# Altium PCB IPO1_V0.01.PcbDoc (part 2 of 2)
Units mm, origin at the board's own origin, x right, y up, seen from the top; angles counter-clockwise.
Board outline 149.4 x 91.43 mm, 2 copper layers (Top Layer, Bottom Layer), stack 1.671 mm thick; 235 components, 157 nets, 687 pads, 150 vias.
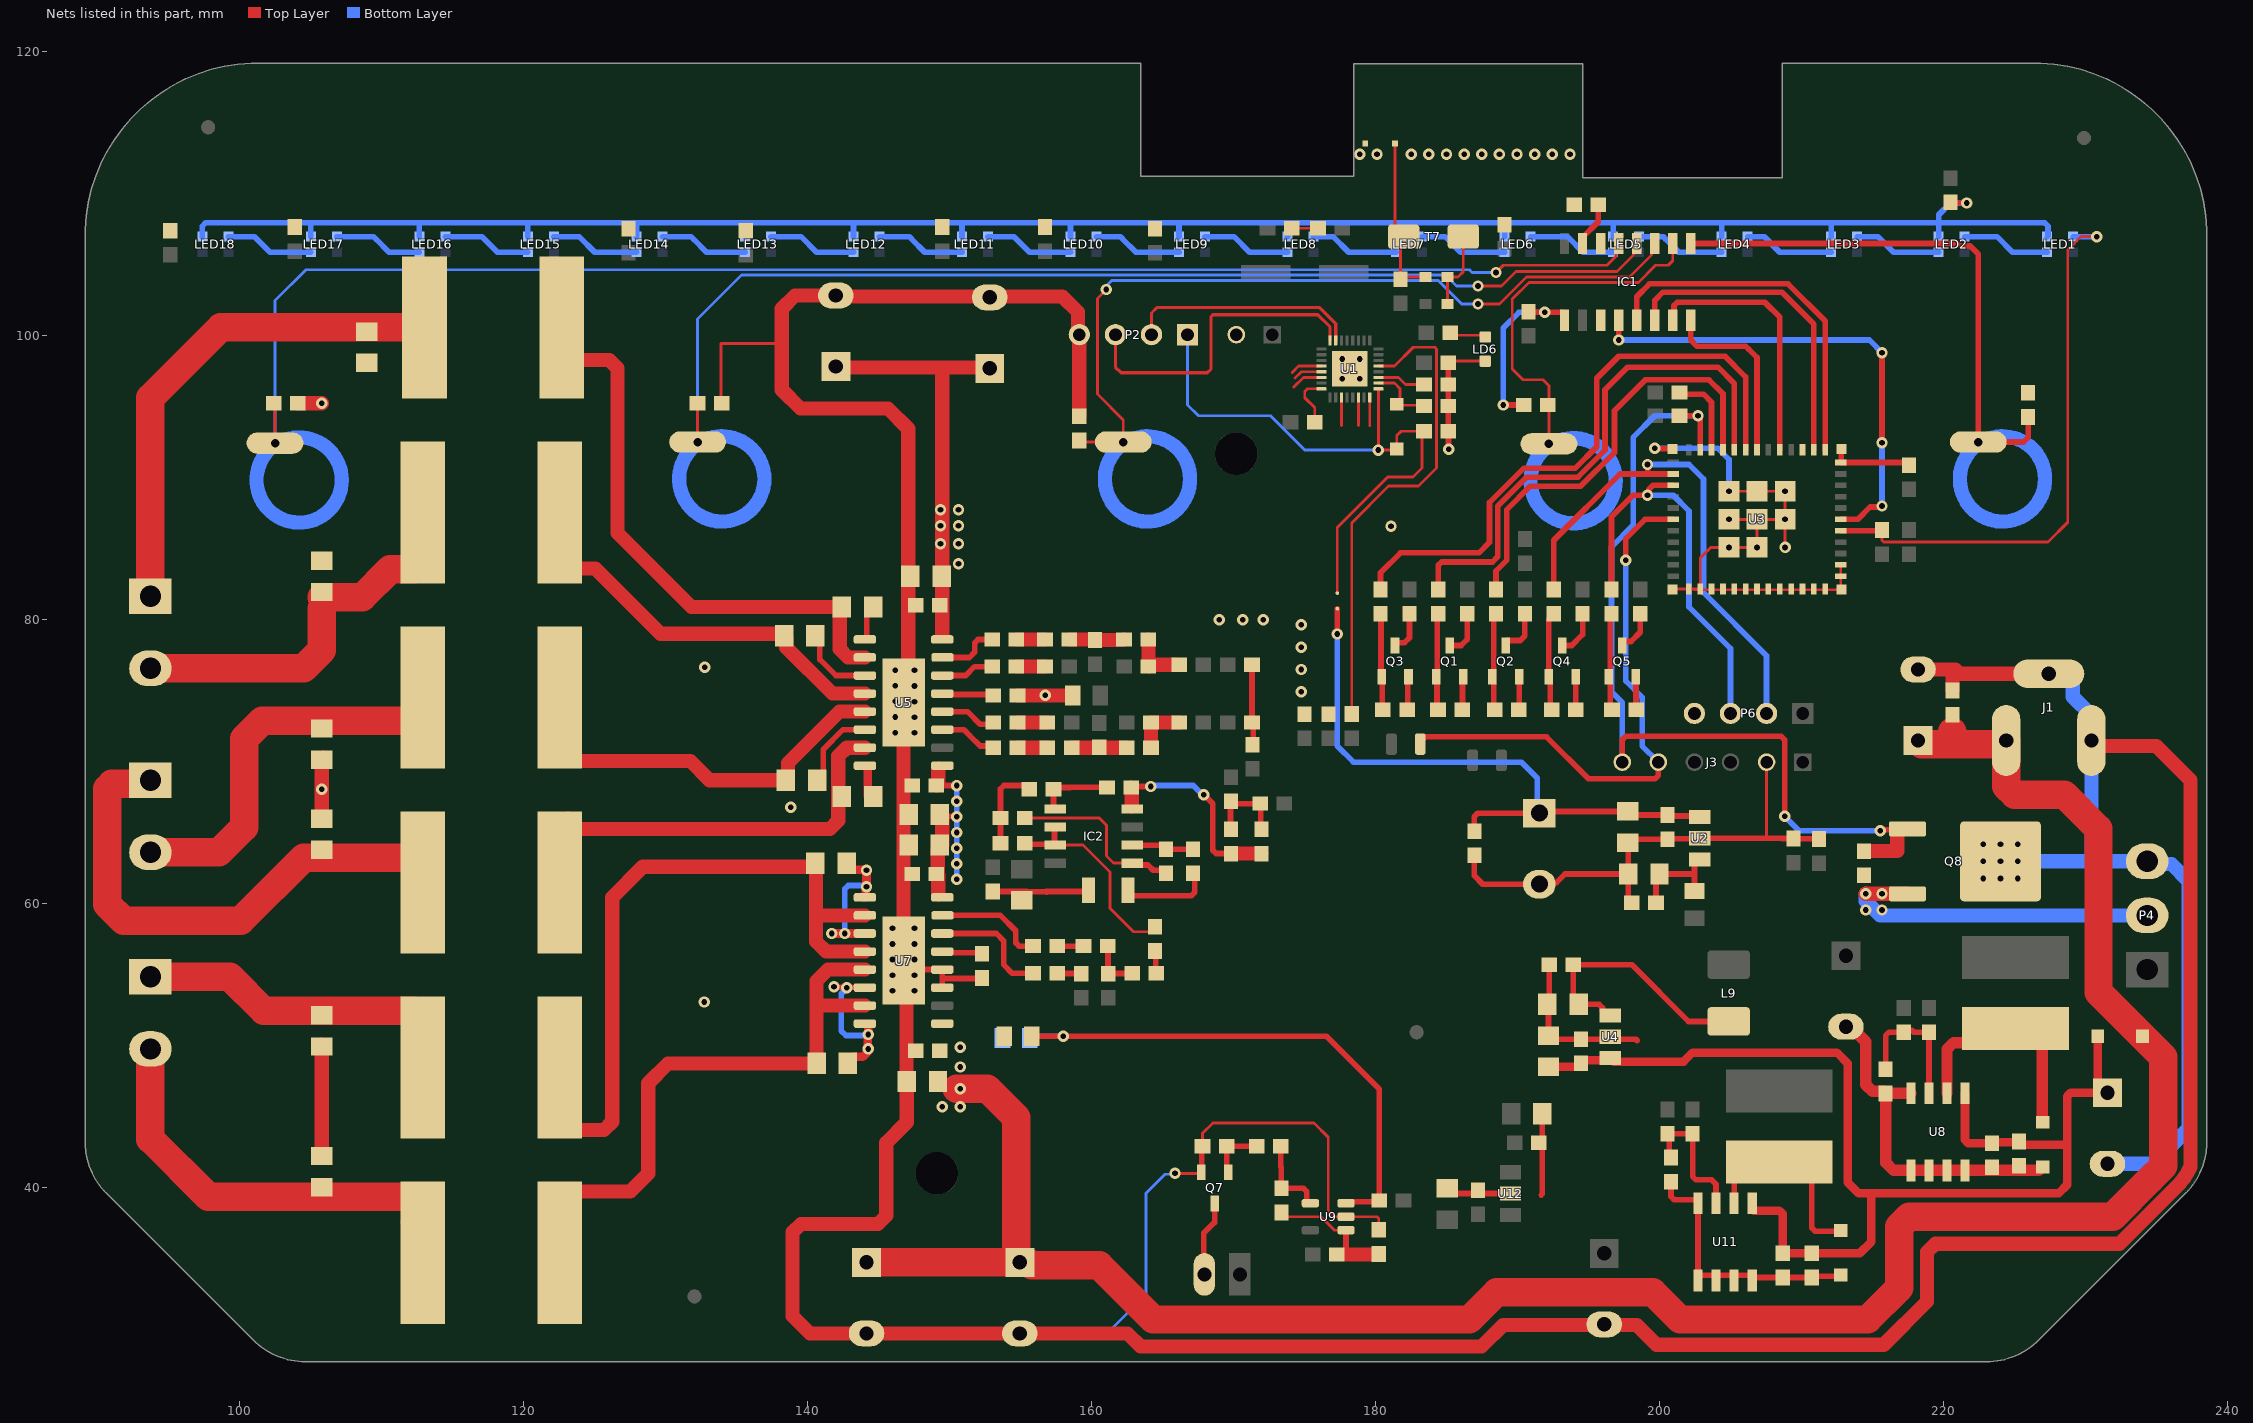
[diagram p2: the nets of this part, all layers, seen from the top]

## Via types
v1: diameter 0.8, hole 0.4, Top Layer to Bottom Layer, 150 vias

## Nets (pads, with @x,y where several pads share a name; then routed paths per layer and width w, separated by ;. In a path a pad name is that pad's centre, name@x,y a point inside that pad or via, vN(x,y) a via of type N, cw(c..) or ccw(c..) an arc to the next point about the centre after c; other vN are vias at no path point) (continued)
GND: A2.1 C1.1 C6.2 C7.1 C9.2 C10.1 C12.1 C13.2 C14.2 C15.1 C16.1 C18.2 C19.2 C22.2 C23.2 C24.2 C25.2 C26.1 C27.2 C28.2 C30.1 C33.1 C35.1 C41.2 C42.1 C44.2 C45.1 C47.1 C49.2 C51.2 C52.2 C53.2 C55.1 C56.2 C57.2 C58.1 C59.1 C60.1 C61.2 C62.2 C63.2 C64.2 C65.2 C67.2 C68.1 C69.1 C70.1 C71.1 C72.1 C73.1 C74.1 C75.1 C76.1 C77.1 C78.1 C79.1 C80.1 C81.1 C82.1 C83.1 C84.2 C85.2 C91.1 C92.1 C93.2 C94.1 C95.1 C97.1 C98.1 C99.1 C100.1 C101.1 C102.1 C142.2 D2.2 D4.2 IC1.9 IC2.4 J1.2 J1.3 J3.2 J7.2 L1.1 L11.2 L13.2 LD6.1 LED1.2 LED2.2 LED3.2 LED4.2 LED5.2 LED6.2 LED7.2 LED8.2 LED9.2 LED10.2 LED11.2 LED12.2 LED13.2 LED14.2 LED15.2 LED16.2 LED17.2 LED18.2 P2.4 P4.3 P6.4 Q1.2 Q2.2 Q3.2 Q4.2 Q5.2 Q7.2 Q8.2 R5.2 R13.1 R23.2 R30.1 R32.1 R44.2 R45.2 R46.2 R48.2 R51.1 R52.1 R56.1 R63.2 R68.1 T7.A U1.33 U2.2 U3.1 U3.2 U3.11 U3.14 U3.36 U3.37 U3.38 U3.39 U3.40 U3.41 U3.42 U3.43 U3.44 U3.45 U3.46 U3.47 U3.48 U3.49_1 U3.49_2 U3.49_3 U3.49_4 U3.49_5 U3.49_6 U3.49_7 U3.49_8 U3.49_9 U3.50 U3.51 U3.52 U3.53 U4.2 U5.17 U7.3 U7.4 U7.17 U8.4 U8.5 U8.6 U8.7 U8.8 U9.2 U11.4 U11.5 U11.6 U11.7 U11.8 U12.2 | length 766.1
  Top Layer w0.2: C64.2@133.946,95.25 133.896,95.3 133.896,99.441 138.176,99.441 ; v1(165.862,41.021) 167.622,41.021 Q7.2@167.706,41.105 Q7.2@167.756,41.155 ; R63.2@167.756,42.876 167.803,42.876 167.803,43.851 168.529,44.577 175.641,44.577 176.657,43.561 176.657,38.354 177.04,37.971 U9.2@177.903,37.971 177.905,37.973 180.086,37.973 180.213,37.846 R51.1@180.213,37.045 ; C84.2@174.078,107.569 C85.2@175.934,107.569 ; L11.2@185.052,102.235 L13.2@185.052,104.14 185.801,104.14 186.166,104.505 T7.A@186.166,106.976 ; C19.2@185.1,98.098 185.212,98.21 LD6.1@187.706,98.21 ; U3.50@200.895,82.119 200.945,82.169 U3.36@202.045,82.169 202.445,82.169 ; v1(204.87,87.069) U3.49_9@206.845,87.069 ; v1(204.87,89.044) U3.49_6@206.845,89.044 v1(208.82,89.044) v1(208.82,87.069) ; 207.518,64.616 J3.2@207.518,69.977 ; v1(208.82,85.094) v1(208.82,87.069) ; U3.2@212.745,83.869 U3.1@212.745,83.069 212.745,82.169 U3.53@212.795,82.119 202.495,82.119 202.445,82.169 ; 202.445,82.169 U3.37@202.845,82.169 202.845,84.354 203.585,85.094 v1(204.87,85.094) v1(206.845,85.094) 206.976,84.963 207.395,84.963 206.845,85.513 U3.49_9@206.845,87.069 ; U3.49_9@206.845,87.069 v1(208.82,87.069)
  Top Layer w0.4: U7.17@146.754,56.007 146.961,55.8 147.389,55.372 U7.4@149.479,55.372 149.479,54.737 ; U7.3@149.479,54.102 149.479,54.737 ; C45.1@152.273,54.776 152.234,54.737 149.479,54.737 ; C7.1@153.035,60.872 155.448,60.872 155.467,60.852 156.826,60.852 156.845,60.833 ; 156.806,60.872 159.678,60.872 C42.1@159.766,60.96 ; C30.1@162.687,68.287 C30.1@162.775,68.199 162.839,68.263 v1(164.147,68.263) ; Q7.2@167.756,41.155 R63.2@167.756,42.876 ; v1(167.894,67.691) 168.529,67.056 168.529,63.773 168.763,63.539 C33.1@169.799,63.539 ; R44.2@182.206,73.66 182.256,73.71 182.256,75.939 Q3.2@182.306,75.989 ; C80.1@185.039,39.962 185.401,39.6 U12.2@189.484,39.6 ; C19.2@185.1,98.098 C52.2@185.1,96.574 C51.2@185.1,95.05 C44.2@185.1,93.272 185.12,93.253 185.12,92.021 v1(185.139,92.002) ; R48.2@186.08,73.66 186.114,73.694 186.114,75.955 Q1.2@186.148,75.989 ; C74.1@186.944,63.412 186.944,61.976 187.539,61.381 C142.2@191.516,61.381 191.643,61.508 192.731,61.508 193.326,62.103 C99.1@197.782,62.103 ; v1(188.976,95.123) C62.2@190.412,95.123 ; R52.1@190.08,73.66 190.098,73.678 190.098,75.971 Q2.2@190.117,75.989 ; C67.2@190.754,101.688 190.798,101.644 v1(191.897,101.644) 192.169,101.644 192.171,101.642 193.169,101.642 193.294,101.517 IC1.9@193.294,101.092 ; 191.643,39.497 191.727,39.581 C82.1@191.727,45.212 ; C102.1@192.205,55.715 192.205,53.044 C101.1@192.082,52.921 192.166,52.837 C97.1@192.166,50.719 192.416,50.469 194.448,50.469 194.452,50.465 198.305,50.465 198.389,50.381 ; R23.2@193.971,109.22 R23.2@194.271,109.52 ; R45.2@194.081,73.66 194.083,73.662 194.083,75.987 Q4.2@194.085,75.989 ; C98.1@198.032,60.071 197.782,60.321 C99.1@197.782,62.103 ; Q5.2@198.308,75.989 198.322,75.975 198.322,73.674 R46.2@198.335,73.66 ; v1(199.644,92.075) 199.672,92.047 200.867,92.047 U3.51@200.895,92.019 ; R32.1@200.787,40.436 200.787,39.395 201.021,39.161 202.567,39.161 202.692,39.036 U11.4@202.692,38.907 U11.5@202.692,33.737 ; U11.5@202.692,33.483 U11.5@202.692,33.737 ; U11.6@203.962,33.483 U11.6@203.962,33.858 ; U11.7@205.232,33.483 205.232,33.733 205.357,33.858 206.377,33.858 U11.8@206.502,33.733 ; U11.7@205.232,33.858 U11.6@203.962,33.858 ; U11.8@206.502,33.483 206.627,33.608 U11.8@206.627,33.694 ; U11.8@206.502,33.858 206.502,33.819 U11.8@206.627,33.694 ; C59.1@211.201,64.565 211.182,64.585 209.442,64.585 C60.1@209.423,64.604 208.623,64.604 208.611,64.616 202.822,64.616 U2.2@202.819,64.619 202.787,64.587 200.565,64.587 C95.1@200.533,64.555 197.989,64.555 C94.1@197.739,64.305 197.782,64.262 C99.1@197.782,62.103 ; D4.2@212.725,33.858 212.643,33.776 210.775,33.776 C92.1@210.693,33.694 C91.1@208.661,33.694 U11.8@206.627,33.694 ; U3.11@212.745,91.069 U3.11@212.77,91.069 ; U3.52@212.795,92.019 212.77,91.994 U3.11@212.77,91.069 ; C1.1@217.551,90.893 217.375,91.069 U3.11@212.77,91.069 ; C68.1@220.472,109.347 220.491,109.366 221.596,109.366 v1(221.615,109.347) ; U11.5@202.692,33.737 202.813,33.858 U11.6@203.962,33.858
  Top Layer w0.8: C57.2@213.106,51.348 213.447,51.348 214.503,50.292 214.503,47.267 214.972,46.798 215.8,46.798 215.906,46.692 215.906,41.777 216.453,41.23 U8.5@217.678,41.23 U8.6@218.948,41.23 U8.7@220.218,41.23 U8.8@221.488,41.23 226.701,41.23 D2.2@226.949,41.478 ; R30.1@215.906,46.654 U8.4@217.678,46.654
  Top Layer w1: C65.2@104.101,95.25 v1(105.791,95.25) ; C47.1@105.791,42.248 C49.2@105.791,50.081 ; C35.1@105.791,66.04 105.791,70.168 C41.2@105.918,70.295 ; C53.2@144.145,29.758 140.168,29.758 138.938,30.988 138.938,36.879 139.524,37.465 144.956,37.465 145.542,38.051 145.542,43.18 146.982,44.62 C55.1@146.982,47.498 ; C53.2@144.272,29.758 162.52,29.758 163.449,28.829 187.452,28.829 188.976,30.353 198.374,30.353 199.771,28.956 215.773,28.956 218.821,32.004 218.821,35.482 219.407,36.068 232.363,36.068 236.219,39.924 236.603,40.308 236.878,40.644 237.12,41.005 237.325,41.388 237.363,41.481 237.363,68.707 234.95,71.12 230.767,71.12 J1.2@230.386,71.501 ; U7.17@146.754,56.261 U5.17@146.754,74.168 ; C55.1@146.941,47.625 146.961,47.646 U7.17@146.961,55.8 ; U5.17@147.088,74.502 U5.17@147.088,76.438 ; C26.1@147.236,83.058 C26.1@147.088,83.058 ; v1(147.529,76.438) U5.17@147.088,76.438 ; C27.2@152.821,102.703 C27.2@152.821,102.767 ; C58.1@154.774,74.676 v1(156.725,74.676) L1.1@158.677,74.676 ; C63.2@159.131,94.322 P2.4@159.131,100.076 159.035,100.172 159.035,101.664 157.932,102.767 C27.2@152.821,102.767 ; C30.1@162.775,68.199 162.817,68.199 IC2.4@162.817,66.85 ; C33.1@169.799,63.539 R13.1@171.958,63.539 ; C25.2@218.186,76.501 220.807,76.501 221.107,76.201 J1.3@227.386,76.201 ; C24.2@220.599,75.018 220.599,75.361 220.599,76.201 ; U5.17@147.088,76.438 C26.1@147.088,83.058 ; C26.1@147.088,83.058 147.088,93.45 145.66,94.878 139.492,94.878 138.176,96.194 138.176,99.441 138.176,101.903 139.103,102.83 C14.2@141.986,102.83 142.05,102.767 C27.2@152.821,102.767
  Bottom Layer w0.2: C28.2@154.94,29.758 161.076,29.758 163.83,32.512 163.83,39.624 165.162,40.956 165.797,40.956 v1(165.862,41.021)
  Bottom Layer w0.4: LED18.2@97.382,106.976 97.382,107.716 97.616,107.95 105.133,107.95 ; LED17.2@105.023,106.976 105.023,107.84 105.133,107.95 ; LED16.2@112.664,106.976 112.664,107.935 112.649,107.95 ; LED15.2@120.305,106.976 120.305,107.914 120.269,107.95 ; LED14.2@127.946,106.976 127.946,107.88 128.016,107.95 ; LED13.2@135.586,106.976 135.586,107.9 135.636,107.95 ; LED12.2@143.227,106.976 143.227,107.852 143.129,107.95 ; LED11.2@150.868,106.976 150.868,107.942 150.876,107.95 ; LED10.2@158.509,106.976 158.509,107.81 158.369,107.95 ; v1(164.147,68.263) 164.211,68.326 167.151,68.326 167.786,67.691 v1(167.894,67.691) ; LED9.2@166.15,106.976 166.15,107.916 166.116,107.95 ; LED8.2@173.791,106.976 173.791,107.768 173.609,107.95 ; LED7.2@181.432,106.976 181.432,107.772 181.61,107.95 ; v1(188.976,95.123) 188.976,100.545 190.075,101.644 v1(191.897,101.644) ; LED6.2@189.073,106.976 189.073,107.92 189.103,107.95 ; LED5.2@196.713,106.976 196.713,107.94 196.723,107.95 ; v1(199.644,92.075) 204.089,92.075 204.87,91.294 v1(204.87,89.044) ; LED4.2@204.354,106.976 204.354,107.939 204.343,107.95 ; LED3.2@212.064,106.976 212.064,107.849 211.963,107.95 ; LED2.2@219.636,106.976 219.636,107.95 ; v1(221.615,109.347) 220.467,109.347 219.636,108.516 219.636,107.95 ; LED1.2@227.277,106.976 227.33,107.029 227.33,107.716 227.096,107.95 219.636,107.95 ; 105.133,107.95 112.649,107.95 ; 112.649,107.95 120.269,107.95 ; 120.269,107.95 128.016,107.95 ; 128.016,107.95 135.636,107.95 ; 135.636,107.95 143.129,107.95 ; 143.129,107.95 150.876,107.95 ; 150.876,107.95 158.369,107.95 ; 158.369,107.95 166.116,107.95 ; 166.116,107.95 173.609,107.95 ; 173.609,107.95 181.61,107.95 ; 181.61,107.95 189.103,107.95 ; 189.103,107.95 196.723,107.95 ; 196.723,107.95 204.343,107.95 ; 204.343,107.95 211.963,107.95 ; 211.963,107.95 219.636,107.95
  Bottom Layer w1: 146.685,74.295 147.066,74.676 ; v1(223.988,62.992) v1(225.213,62.992) P4.3@234.315,62.992 234.498,62.809 236.022,62.809 237.236,61.595 237.236,44.196 234.736,41.696 C23.2@231.521,41.696 ; J1.3@227.386,76.201 228.615,76.201 229.077,75.739 229.077,74.58 230.386,73.272 J1.2@230.386,71.501 ; 230.632,62.992 230.386,63.238 J1.2@230.386,71.501 ; J1.2@230.64,71.247 J1.2@230.386,71.501
  other v1: 132.715,53.086 145.979,53.875 147.529,53.875 145.979,54.975 147.529,54.975 145.979,56.076 147.529,56.076 145.979,57.177 147.529,57.177 145.979,58.277 147.529,58.277 222.763,61.782 223.988,61.782 225.213,61.782 222.763,62.992 222.763,64.202 223.988,64.202 225.213,64.202 138.811,66.802 105.791,68.072 147.529,72.036 146.177,72.051 146.177,73.152 147.529,73.136 147.529,74.237 146.177,74.253 174.765,74.93 147.529,75.338 146.177,75.353 146.177,76.454 174.765,76.501 132.767,76.662 174.765,78.071 174.765,79.642 168.975,80.01 170.626,80.01 172.085,80.01 181.076,86.583 177.639,96.963 178.881,96.963 177.639,98.363 178.881,98.363 178.868,112.776 180.086,112.776 182.499,112.776 183.741,112.776 184.983,112.776 186.224,112.776 187.466,112.776 188.708,112.776 189.95,112.776 191.191,112.776 192.433,112.776 193.675,112.776
INPB: C39.2 C40.2 R12.2 | length 3.7
  Top Layer w0.4: C39.2@161.124,57.023 161.144,57.004 161.144,55.099 C40.2@161.163,55.079 161.183,55.099 162.833,55.099 R12.2@162.853,55.118
IO0: IC1.13 U3.12 | length 25.4
  Top Layer w0.4: IC1.13@198.374,101.092 198.374,102.743 199.28,103.649 209.025,103.649 211.645,101.029 U3.12@211.645,91.969
IO1: IC1.14 U3.13 | length 22.6
  Top Layer w0.4: IC1.14@199.644,101.092 199.644,102.489 200.224,103.069 208.589,103.069 210.845,100.813 U3.13@210.845,91.969
IO2: LED1.3 R15.2 U3.5 | length 40.6
  Top Layer w0.2: R15.2@215.646,86.321 215.646,85.588 215.763,85.471 221.488,85.471 227.33,85.471 228.727,86.868 228.727,106.045 229.658,106.976 v1(230.759,106.976)
  Top Layer w0.4: U3.5@212.745,86.269 215.594,86.269 R15.2@215.646,86.321
  Bottom Layer w0.4: LED1.3@229.107,106.976 v1(230.759,106.976)
IO3: IC1.12 U3.6 | length 34.4
  Top Layer w0.4: v1(197.104,99.695) IC1.12@197.104,101.092 ; U3.6@212.745,87.069 213.942,87.069 214.807,87.934 215.569,87.934 v1(215.646,88.011) ; v1(215.646,92.456) v1(215.646,98.806)
  Bottom Layer w0.4: v1(197.104,99.695) 214.757,99.695 v1(215.646,98.806) ; v1(215.646,88.011) v1(215.646,92.456)
IO4: IC1.16 U3.18 | length 13.1
  Top Layer w0.4: IC1.16@202.184,101.092 202.184,99.695 202.629,99.25 206.058,99.25 206.247,99.061 206.845,98.463 U3.18@206.845,91.969
IO5: R38.2 U3.19 | length 43.4
  Top Layer w0.4: R38.2@180.34,82.13 180.34,83.312 181.737,84.709 187.267,84.709 188.015,85.457 188.015,88.251 190.442,90.678 194.056,90.678 195.562,92.184 195.562,97.01 197.104,98.552 204.597,98.552 206.045,97.104 U3.19@206.045,91.969
IO6: R42.1 U3.20 | length 38
  Top Layer w0.4: R42.1@184.404,82.13 184.404,83.84 184.638,84.074 188.214,84.074 188.595,84.455 188.595,88.011 190.627,90.043 194.241,90.043 196.142,91.943 196.142,96.193 197.739,97.79 204.089,97.79 205.245,96.634 U3.20@205.245,91.969
IO7: R43.1 U3.21 | length 31
  Top Layer w0.4: R43.1@188.468,82.13 188.468,83.439 189.23,84.201 189.23,87.757 190.881,89.408 194.437,89.408 196.805,91.776 196.805,94.721 198.976,96.892 203.463,96.892 204.445,95.91 U3.21@204.445,91.969
IO8: R18.1 U3.22 | length 5.9
  Top Layer w0.4: R18.1@201.383,96.012 201.51,95.885 203.073,95.885 203.645,95.313 U3.22@203.645,91.969
IO9: J3.6 Q8.1 R19.2 R55.2 U3.23 | length 65.4
  Top Layer w0.4: J3.6@197.358,69.977 197.358,71.555 197.592,71.789 208.554,71.789 208.788,71.555 v1(208.788,66.167) ; R19.2@201.383,94.361 v1(202.692,94.361) 202.692,94.253 202.845,94.1 U3.23@202.845,91.969 ; v1(215.519,65.151) 215.582,65.215 Q8.1@216.711,65.215 ; Q8.1@217.438,65.215 218.415,65.215 Q8.1@218.478,65.151
  Top Layer w1: R55.2@214.376,63.715 216.711,63.715 216.711,65.215 216.711,65.248 216.741,65.278 Q8.1@217.438,65.278
  Bottom Layer w0.4: J3.6@197.358,69.977 197.358,74.168 196.596,74.93 196.596,85.128 198.12,86.652 198.12,92.837 199.644,94.361 v1(202.692,94.361) ; v1(208.788,66.167) 209.804,65.151 v1(215.519,65.151)
IO10: IC1.15 U3.16 | length 18.4
  Top Layer w0.4: IC1.15@200.914,101.092 201.002,101.18 201.002,102.128 201.236,102.362 207.391,102.362 208.445,101.308 U3.16@208.445,91.969
IO18: P6.2 R39.1 U3.26 | length 37.2
  Top Layer w0.4: R39.1@192.532,82.13 192.532,85.598 197.203,90.269 199.161,90.269 ; v1(199.136,90.932) 199.161,90.907 199.161,90.269 ; U3.26@200.945,90.269 199.161,90.269
  Bottom Layer w0.4: v1(199.136,90.932) 202.057,90.932 203.073,89.916 203.073,81.915 207.518,77.47 P6.2@207.518,73.406
IO19: P6.3 R40.2 U3.27 | length 29.4
  Top Layer w0.4: R40.2@196.596,82.13 196.596,87.249 198.12,88.773 v1(199.136,88.773) 199.213,88.85 199.213,89.159 199.523,89.469 U3.27@200.945,89.469
  Bottom Layer w0.4: v1@199.158,88.773 200.945,88.773 202.057,87.661 202.057,80.899 204.978,77.978 P6.3@204.978,73.406
IO20: J3.5 J6.1 U3.30 | length 39.9
  Top Layer w0.4: J6.1@183.134,71.247 183.134,71.403 183.486,71.755 192.024,71.755 194.972,68.807 199.664,68.807 199.898,69.041 J3.5@199.898,69.977 ; v1(197.612,84.201) 197.612,85.725 198.956,87.069 U3.30@200.945,87.069
  Bottom Layer w0.4: v1(197.612,84.201) 197.612,75.692 198.755,74.549 198.755,71.12 J3.5@199.898,69.977
IOVDD: C52.1 U1.11 | length 3.4
  Top Layer w0.2: U1.11@180.186,97.063 181.602,97.063 182.091,96.574 C52.1@183.4,96.574
IRDA: U1.28 | length 2.2
  Top Layer w0.2: 174.117,97.409 174.571,97.863 U1.28@176.176,97.863
LED_OUT: P4.2 Q8.3 R55.1 | length 23.7
  Top Layer w1: v1(214.503,60.706) Q8.3@217.438,60.706
  Bottom Layer w1: v1(214.503,60.706) 214.503,60.198 215.519,59.182 P4.2@234.315,59.182
  other v1: 214.503,59.563 215.646,59.563 215.646,60.706
MIC_LDO: U1.30 | length 2.2
  Top Layer w0.2: 174.23,96.379 174.914,97.063 U1.30@176.176,97.063
MICIN: U1.29 | length 2
  Top Layer w0.2: 174.326,97.022 174.767,97.463 U1.29@176.176,97.463
MUTE: R4.1 U1.13 | length 34.1
  Top Layer w0.2: R4.1@178.308,73.367 178.308,86.815 180.901,89.408 183.007,89.408 184.277,90.678 184.277,92.649 184.27,92.656 184.27,99.067 184.15,99.187 182.643,99.187 181.319,97.863 U1.13@180.186,97.863
NetA2_2: A2.2 C54.1 L13.1 T7.C | length 11.7
  Top Layer w0.21: A2.2@181.356,113.538 181.356,107.586 T7.C@181.966,106.976 181.737,106.747 C54.1@181.737,103.974 181.903,104.14 L13.1@183.502,104.14
NetC2_1: C2.1 C3.1 R1.1 | length 3.9
  Top Layer w1: C2.1@158.414,78.608 160.231,78.608 R1.1@160.231,78.574 162.184,78.574 162.223,78.613 C3.1@162.273,78.613
NetC2_2: C2.2 R53.1 | length 2
  Top Layer w1: R53.1@154.701,78.608 156.664,78.608 C2.2@156.714,78.608
NetC3_2: C3.2 R34.1 R35.1 | length 3.9
  Top Layer w1: C3.2@163.973,78.613 C3.2@163.991,78.613 ; R35.1@163.991,76.708 C3.2@163.991,78.613 ; R35.1@164.023,76.708 164.041,76.708 164.168,76.835 R34.1@165.901,76.835 ; C3.2@164.023,78.613 C3.2@163.991,78.613
NetC4_1: C4.1 C8.2 R2.1 | length 3.9
  Top Layer w1: C8.2@158.584,70.993 C4.1@162.472,70.993
NetC4_2: C4.2 R3.2 R29.1 | length 3.8
  Top Layer w1: C4.2@164.172,70.993 R3.2@164.172,72.771 R29.1@166.155,72.771
NetC5_1: C5.1 R54.1 | length 2
  Top Layer w1: R54.1@154.701,76.703 156.659,76.703 156.664,76.708 C5.1@156.714,76.708
NetC8_1: C8.1 R59.1 | length 2.1
  Top Layer w1: R59.1@154.774,70.993 156.834,70.993 C8.1@156.884,70.993
NetC11_1: C11.1 R61.1 | length 2.1
  Top Layer w1: R61.1@154.774,72.771 156.834,72.771 C11.1@156.884,72.771
NetC15_2: C15.2 L2.1 P1.2 | length 27.9
  Top Layer w1: 105.791,80.777 C15.2@105.791,81.577
  Top Layer w2: P1.2@93.726,76.581 104.521,76.581 105.791,77.851 105.791,80.777 ; C15.2@105.791,81.577 108.628,81.577 110.605,83.554 112.328,83.554 112.903,84.129 L2.1@112.903,87.554
NetC17_1: C17.1 L6.2 U5.15 | length 28.9
  Top Layer w1: L6.2@122.555,61.493 L6.2@122.555,64.203 ; L6.2@123.63,65.278 141.575,65.278 142.161,65.864 142.161,70.406 142.748,70.993 U5.15@144.029,70.993
  Top Layer w2: L6.2@122.555,64.919 L6.2@123.13,65.493
NetC17_2: C17.2 U5.16 | length 2.3
  Top Layer w0.4: U5.16@144.029,69.723 144.129,69.723 U5.16@144.229,69.623
  Top Layer w0.6: C17.2@144.229,67.564 U5.16@144.229,69.623
NetC18_1: C18.1 L3.1 P1.1 | length 35.5
  Top Layer w1: C18.1@108.818,100.393 C18.1@108.966,100.541
  Top Layer w2: P1.1@93.726,81.661 93.726,95.631 98.679,100.584 L3.1@113.03,100.584
NetC20_1: C20.1 L7.2 U5.13 | length 28.5
  Top Layer w1: L7.2@122.555,74.524 122.555,71.136 123.63,70.061 131.742,70.061 133.096,68.707 C20.1@138.473,68.707 138.621,68.855 138.621,69.914 142.24,73.533 U5.13@144.029,73.533
NetC20_2: C20.2 U5.14 | length 5.8
  Top Layer w0.4: C20.2@140.673,68.707 141.097,69.131 141.097,70.866 142.494,72.263 U5.14@144.029,72.263
NetC21_1: C21.1 L2.2 U5.12 | length 28.8
  Top Layer w1: L2.2@122.555,87.554 122.555,84.692 123.63,83.617 125.044,83.617 129.646,79.015 138.198,79.015 138.494,78.719 138.494,78.05 141.744,74.8 U5.12@144.029,74.8
NetC21_2: C21.2 U5.11 | length 5.4
  Top Layer w0.4: C21.2@140.546,78.867 140.863,78.55 140.863,77.196 141.986,76.073 U5.11@144.029,76.073
NetC23_1: C23.1 C76.2 C77.2 C91.2 C92.2 C97.2 C100.2 D1.1 U4.3 U8.1 U11.1 | length 85.9
  Top Layer w0.6: C97.2@192.166,48.519 194.202,48.519 194.667,48.984 196.365,48.984 U4.3@196.516,49.135 196.756,48.895 201.676,48.895 202.311,49.53 212.471,49.53 213.233,48.768 213.233,40.386 214.004,39.615 214.884,39.615 ; U11.1@206.502,38.907 206.502,38.528 206.627,38.403 208.427,38.403 208.661,38.169 C91.2@208.661,35.394 C92.2@210.693,35.394 214.083,35.394 214.884,36.195 214.884,39.615 ; U8.1@221.488,46.654 221.488,43.375 221.722,43.141 C77.2@223.393,43.141 223.456,43.204 225.234,43.204 C76.2@225.298,43.268 225.513,43.053 228.687,43.053 ; D1.1@230.835,50.673 230.835,47.041 C23.1@231.18,46.696 ; C23.1@231.521,46.696 C23.1@231.18,46.696 ; 214.884,39.615 228.083,39.615 228.687,40.219 228.687,43.053 ; 228.687,43.053 228.687,46.462 228.921,46.696 C23.1@231.18,46.696
NetC30_2: C30.2 IC2.5 R7.2 | length 5.3
  Top Layer w0.4: IC2.5@157.435,66.675 157.314,66.796 R7.2@157.314,68.072 157.432,68.189 158.464,68.189 158.474,68.199 C30.2@161.075,68.199
NetC31_1: C31.1 L3.2 U5.10 | length 40.4
  Top Layer w1: L3.2@122.682,100.584 122.682,99.373 123.757,98.298 126.033,98.298 126.619,97.712 126.619,86.106 131.826,80.899 C31.1@142.41,80.899 142.262,80.751 142.262,77.932 142.848,77.347 U5.10@144.029,77.347
NetC31_2: C31.2 U5.9 | length 2.7
  Top Layer w0.4: U5.9@144.029,78.613 144.256,78.613 144.162,78.707 144.162,80.451 C31.2@144.61,80.899
NetC32_1: C32.1 C36.1 IC2.6 IC2.7 | length 14.7
  Top Layer w0.2: IC2.7@157.435,64.135 159.385,64.135 161.289,62.231 161.289,59.691 162.941,58.039 164.123,58.039 C32.1@164.465,58.381
  Top Layer w0.4: C36.1@155.282,64.262 155.345,64.199 157.316,64.199 IC2.7@157.379,64.135 ; IC2.7@157.435,64.135 IC2.7@157.379,64.135 ; IC2.6@157.435,65.405 157.379,65.349 IC2.7@157.379,64.135
NetC32_2: C32.2 R12.1 | length 1.6
  Top Layer w0.4: C32.2@164.465,56.681 164.509,56.637 164.509,55.162 R12.1@164.553,55.118
NetC33_2: C33.2 R8.1 R9.1 R13.2 | length 6
  Top Layer w0.4: R9.1@169.779,67.036 169.779,65.259 C33.2@169.799,65.239 ; R9.1@169.799,67.222 169.723,67.146 169.813,67.056 R8.1@171.87,67.056 171.914,67.012 171.914,65.283 R13.2@171.958,65.239
NetC34_1: C41.1 L7.1 P3.2 | length 28